# KiCad board Phoenixia.kicad_pcb (continued)
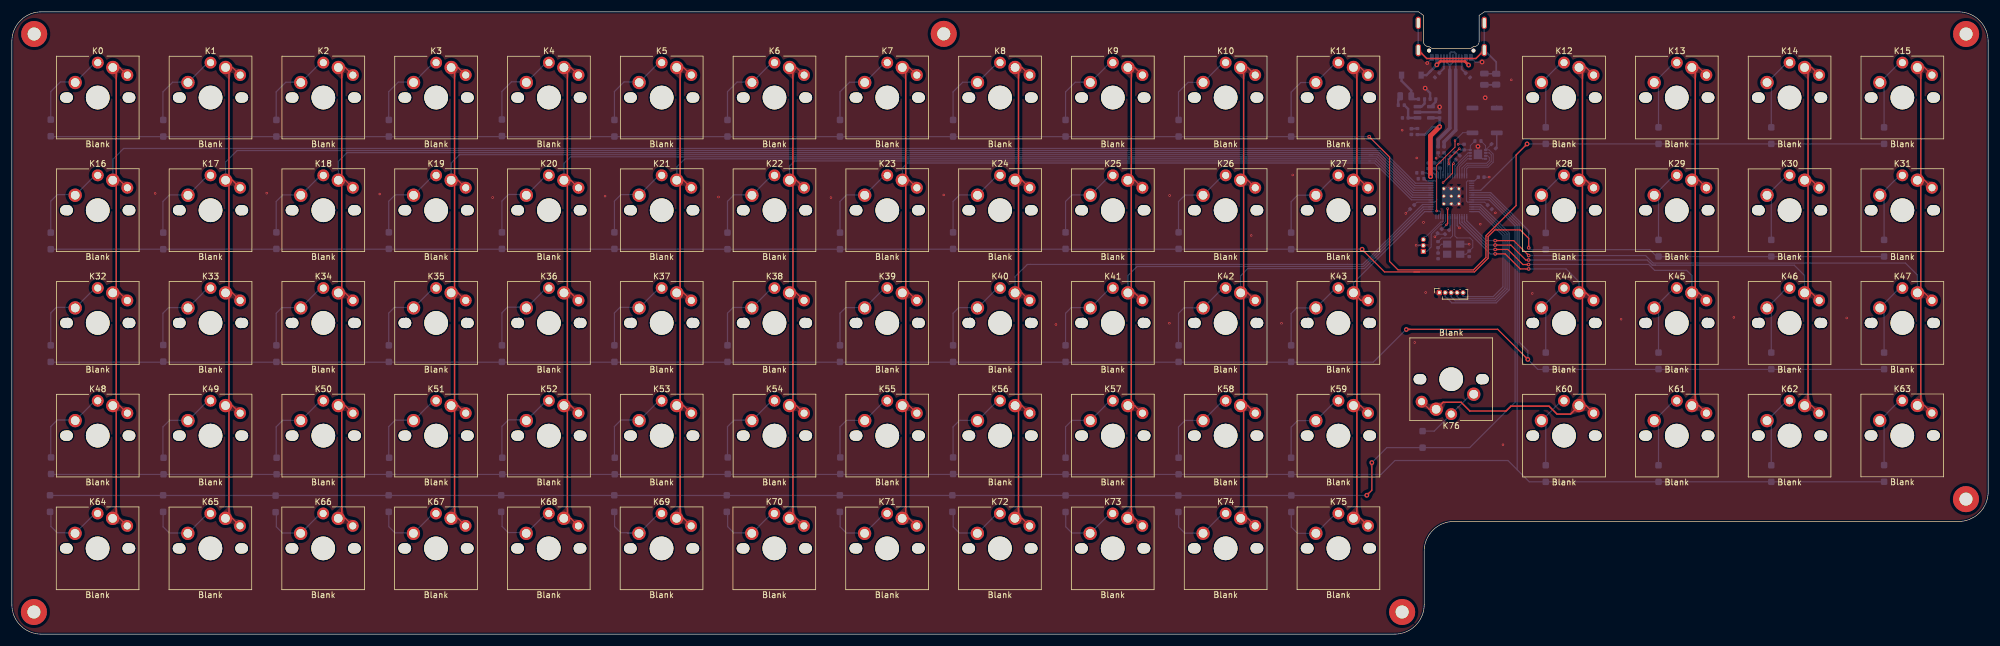
[diagram p0: board, top side]
## Nets (continued)
Net-(D56-A): D56.2 K56.2
Net-(D57-A): D57.2 K57.2
Net-(D58-A): D58.2 K58.2
Net-(D59-A): D59.2 K59.2
Net-(D60-A): D60.2 K60.2
Net-(D61-A): D61.2 K61.2
Net-(D62-A): D62.2 K62.2
Net-(D63-A): D63.2 K63.2
Net-(D64-A): D64.2 K64.2
Net-(D65-A): D65.2 K65.2
Net-(D66-A): D66.2 K66.2
Net-(D67-A): D67.2 K67.2
Net-(D68-A): D68.2 K68.2
Net-(D69-A): D69.2 K69.2
Net-(D70-A): D70.2 K70.2
Net-(D71-A): D71.2 K71.2
Net-(D72-A): D72.2 K72.2
Net-(D73-A): D73.2 K73.2
Net-(D74-A): D74.2 K74.2
Net-(D75-A): D75.2 K75.2
Net-(D76-A): D76.2 K76.2
Net-(F1-Pad1): F1.1 FB1.1
Net-(U1-BP): CBP1.1 U1.4
Net-(U1-IN): C1.1 FB1.2 U1.1
Net-(U3-USB_DM): R4.2 U3.46
Net-(U3-USB_DP): R3.2 U3.47
Net-(USB1-CC1): R5.2 USB1.A5
Net-(USB1-CC2): R6.2 USB1.B5
Net-(USB1-SHIELD): C9.1 R8.1 USB1.S1

Pads without a net: DLED1 2; H1 1; H2 1; H2#2 1; H2#3 1; H2#4 1; H7 1; R9 1; USB1 A8 B8

## Via types
v1: diameter 0.4, hole 0.2, Top to Bottom, 43 vias
v2: diameter 0.8, hole 0.4, Top to Bottom, 15 vias
v3: diameter 0.6, hole 0.3, Top to Bottom, 11 vias

## Routing (per net, layer and track width the routed paths; a pad name or vN(x,y) marks a point on that pad's centre or on a via; arc(x,y) is an arc through that point)
3V3_EN: length 2.2
  Bottom w0.4: 237.41,89.17 238.1,89.17 238.61,89.69 R7.1
+1V1: length 14.3
  Top w0.15: v1(241.72,76.33) 243.32,77.93 243.32,79.37 v1(243.5,79.55)
  Top w0.2: v1(242.5,71.94) 242.5,69.4 v1(242.27,69.18)
  Bottom w0.15: C6.1 241.56,68.47 v1(242.27,69.18) ; C3.1 241.32,78.68 U3.45 241.32,77.03 ; U3.50 243.32,79.37 v1(243.5,79.55) 243.5,79.83 C7.1 ; 241.77,76.33 v1(241.72,76.33)
  Bottom w0.2: U3.23 242.52,69.43 v1(242.27,69.18)
+3V3: length 58.2
  Top w0.15: v1(242.7,79.52) 242.7,80.29 v1(244.49,82.07)
  Top w0.8: v2(239.62,77.35) 239.6,77.38 239.6,84.22 v2(241.15,85.78)
  Bottom w0.15: U3.43 240.52,77.51 239.33,78.7 C102.1 ; C15.1 247.07,76.63 U3.1 246.55,76.62 245.88,76.62 245.68,76.42 245.68,73.23 245.88,73.03 U3.10 248.76,73.03 249.27,72.52 ; 242.93,79.19 242.93,79.84 ; 242.93,79.19 U3.49 ; 242.93,79.19 242.93,79.3 v1(242.7,79.52) ; 242.93,79.84 242.93,79.74 v1(242.7,79.52) ; 242.93,79.84 242.93,80.7 C11.1 242.52,80.3 242.52,79.79 ; U3.22 242.93,68.48 C8.1 ; C18.1 239,77.98 v2(239.62,77.35) ; v1(244.49,82.07) 244.69,81.86 C5.1 FLASH1.8 246.34,82.58 R2.1 ; v1(242.7,79.52) 242.52,79.34 242.52,79.19 ; v1(242.7,79.52) 242.52,79.7 242.52,79.79 ; C13.1 237.32,73.02 239.68,73.02 U3.33 240.32,73.03 240.68,73.38 240.68,76.48 240.52,76.63 U3.42 238.85,76.63 C16.1 ; 242.52,79.79 242.52,79.19 ; 242.52,79.19 U3.48 ; U3.44 240.93,78.04 240.26,78.7 C10.1
  Bottom w0.4: U1.5 239.69,87.27 C4.1 v2(241.15,85.78) 241.1,85.73 239.97,85.73 238.7,84.45 R9.2
GND: length 28.6
  Bottom w0.15: v1(249.52,77.27) 249.51,77.26 C15.2 ; C5.2 244.3,82.82 v1(244.27,82.8) ; C8.2 240.99,67.62 C6.2 ; C3.2 241.1,79.66 C102.2 ; 236.16,71.87 v1(235.43,71.13)
  Bottom w0.2: J5.2 238.38,65.73 v1(237.18,65.73) ; USB1.A12 247.18,96.7 248.31,96.7 v2(248.32,96.71) ; v2(247.62,82.45) FLASH1.9 248.38,80.36 FLASH1.4 ; v1(240.35,67.18) 240.81,67.64 C6.2 ; v3(239.05,96.55) 239.82,97.33 USB1.A1 ; v1(244.51,68.67) 244.12,69.06 U3.19 ; 244.68,65.98 Y1.4 v1(246.15,65.93)
  Bottom w0.25: C7.2 244.01,81.44 C11.2 ; J2.2 250.8,89.25 ; 236.18,71.87 236.16,71.87
  Bottom w0.3: R8.2 250.67,92.86 C9.2
  Bottom w0.4: v2(241.15,89.12) C4.2 237.42,88.23 U1.2 ; CBP1.2 239.55,91.47 238.72,92.3 v2(238.71,92.3)
  vias: v1(24.2,74.5) v1(43.05,74.55) v1(62.15,74.4) v1(81.2,73.8) v1(100.2,74.05) v1(119.35,73.9) v1(138.35,73.8) v1(157.4,74.25) v1(176.35,52.35) v1(195.5,52.55) v1(195.55,74.15) v1(209.32,67.4) v1(214.45,52.55) v1(216.32,77.62) v1(234.82,85.2) v1(236.95,49.3) v1(237.3,80.5) v1(238.43,69.61) v1(238.8,57.76) v1(240.55,80.46) v1(248.02,69.31) v1(250.57,71.22) v1(251.85,32.03) v1(253.25,93.7) v1(256.8,57.6) v1(271.8,53.25) v1(290.85,53.55) v1(309.9,53.45) v2(248.85,90.68)
VBUS: length 12.3
  Top w0.4: v2(240.68,96.24) 241.26,96.83 245.43,96.83 v2(246.05,96.2)
  Bottom w0.4: 239.64,95.21 238.94,94.5 D100.2 ; 239.64,95.21 v2(240.68,96.24) USB1.A4 ; 239.64,95.21 239.36,94.93 ; v2(246.05,96.2) 245.57,96.68 USB1.A9
/QSPI_SCLK: length 4.6
  Bottom w0.15: FLASH1.6 245.91,80.86 244.12,79.07 U3.52
/QSPI_SD0: length 3.9
  Bottom w0.15: FLASH1.5 245.88,80.36 244.52,79.01 U3.53
/QSPI_SD1: length 8.5
  Bottom w0.15: U3.55 245.32,78.73 245.87,79.27 249.22,79.27 249.87,79.92 249.87,81.03 249.54,81.36 FLASH1.2
/QSPI_SD2: length 7.7
  Bottom w0.15: FLASH1.3 249.26,80.86 249.55,80.58 249.55,80.06 249.08,79.6 245.74,79.6 244.93,78.79 U3.54
/QSPI_SD3: length 5.2
  Bottom w0.15: FLASH1.7 245.95,81.36 243.72,79.13 243.72,77.47
/QSPI_SS: length 12.3
  Bottom w0.15: FLASH1.1 248.93,81.86 R1.1 ; FLASH1.1 249.5,81.86 250.2,81.17 250.2,79.79 249.36,78.95 246.01,78.95 245.72,78.67 245.72,77.47 ; FLASH1.1 248.91,82.58 R2.2
/RUN: length 18.5
  Top w0.15: v1(240.65,71.53) 240.65,79.23 243.75,82.33 v1(243.75,83.43)
  Bottom w0.15: U3.26 241.32,71.33 241.12,71.53 v1(240.65,71.53) ; 247.05,84.78 245.07,84.78 243.75,83.45 v1(243.75,83.43)
/SWCLK: length 7.9
  Bottom w0.15: U3.24 242.12,69.73 241.62,69.23 241.32,69.23 239.72,67.63 239.72,65.46 238.97,64.71 J5.1
/SWD: length 5.7
  Bottom w0.15: J5.3 238.4,67.11 238.55,67.25 238.93,67.25 241.35,69.68 241.64,69.68 241.72,69.77 241.72,70.59
/~{USB_BOOT}: length 2.7
  Bottom w0.25: R1.2 250.8,82.28 J2.1
Col_0: length 321
  Top w0.2: 19.48,75.45 18.2,76.73 17.02,76.73 ; 19.48,94.5 18.2,95.78 17.02,95.78 ; 17.02,38.63 18.2,38.63 19.48,37.35 ; 19.48,56.4 18.2,57.68 17.02,57.68 ; K64.1 18.2,19.58 K64.1
  Top w0.25: 17.05,19.59 17.63,20.17 17.63,95.22 K0.1
  Bottom w0.2: U3.41 237.07,76.23 231.2,82.1 18.88,82.1 17.05,80.28 K16.1
Col_1: length 301.5
  Top w0.2: 36.08,38.63 37.26,38.63 38.54,37.35 ; 36.08,57.68 37.26,57.68 38.54,56.4 ; 36.08,95.78 37.26,95.78 38.54,94.5 ; 36.08,76.73 37.26,76.73 38.54,75.45 ; K65.1 37.26,19.58 K65.1
  Top w0.25: 36.1,19.59 36.67,20.17 36.67,95.22 K1.1
  Bottom w0.2: K17.1 36.1,79.8 38.05,81.75 231.06,81.75 236.97,75.83 U3.40
Col_2: length 282.5
  Top w0.2: 57.58,75.45 56.3,76.73 55.13,76.73 ; 57.58,94.5 56.3,95.78 55.13,95.78 ; 55.13,57.68 56.3,57.68 57.58,56.4 ; 57.58,37.35 56.3,38.63 55.13,38.63 ; 57.58,18.3 56.3,19.58 K66.1
  Top w0.25: K2.1 55.73,95.22 55.73,20.17 55.15,19.59
  Bottom w0.2: 230.03,81.4 56.63,81.4 55.15,79.93 K18.1 ; 230,81.4 230.91,81.4 236.88,75.43 U3.39
Col_3: length 263.7
  Top w0.2: 74.17,38.63 75.36,38.63 76.64,37.35 ; 74.17,76.73 75.36,76.73 76.64,75.45 ; 76.64,56.4 75.36,57.68 74.17,57.68 ; K67.1 75.36,19.58 K67.1 ; 76.64,94.5 75.36,95.78 74.17,95.78
  Top w0.25: 74.2,19.59 74.77,20.17 74.77,95.22 K3.1
  Bottom w0.2: K19.1 74.2,79.65 75.6,81.05 229.88,81.05 ; 229.27,81.05 230.77,81.05 236.79,75.03 U3.38
Col_4: length 243.9
  Top w0.2: K68.1 94.41,19.58 K68.1 ; 93.23,76.73 94.41,76.73 95.69,75.45 ; 95.69,56.4 94.41,57.68 93.23,57.68 ; 93.23,38.63 94.41,38.63 95.69,37.35 ; 95.69,94.5 94.41,95.78 93.23,95.78
  Top w0.25: K4.1 93.83,95.22 93.83,20.17 93.25,19.59
  Bottom w0.2: K20.1 93.25,79.6 94.35,80.7 230.62,80.7 236.69,74.63 U3.37
Col_5: length 224.3
  Top w0.2: 114.73,75.45 113.45,76.73 112.27,76.73 ; K69.1 113.45,19.58 K69.1 ; 114.73,37.35 113.45,38.63 112.27,38.63 ; 114.73,56.4 113.45,57.68 112.27,57.68 ; 112.27,95.78 113.45,95.78 114.73,94.5
  Top w0.25: K5.1 112.88,95.22 112.88,20.17 112.3,19.59
  Bottom w0.2: K21.1 112.3,78.95 113.7,80.35 230.48,80.35 236.6,74.23 U3.36
Col_6: length 205.5
  Top w0.2: 133.78,37.35 132.5,38.63 131.32,38.63 ; 131.32,76.73 132.5,76.73 133.78,75.45 ; 131.32,57.68 132.5,57.68 133.78,56.4 ; K70.1 132.5,19.58 K70.1 ; 131.32,95.78 132.5,95.78 133.78,94.5
  Top w0.25: K6.1 131.93,95.22 131.93,20.17 131.35,19.59
  Bottom w0.2: 229.2,80 230.33,80 236.5,73.83 U3.35 ; 229.45,80 132.23,80 131.35,79.12 K22.1
Col_7: length 185.9
  Top w0.2: 150.38,57.68 151.56,57.68 152.83,56.4 ; 152.83,94.5 151.56,95.78 150.38,95.78 ; 150.38,38.63 151.56,38.63 152.83,37.35 ; 150.38,76.73 151.56,76.73 152.83,75.45 ; K71.1 151.56,19.58 K71.1
  Top w0.25: K7.1 150.97,95.22 150.97,20.17 150.4,19.59
  Bottom w0.2: U3.34 236.41,73.43 230.19,79.65 151.27,79.65 150.4,78.78 K23.1
Col_8: length 169.7
  Top w0.2: 171.88,75.45 170.6,76.73 169.43,76.73 ; 169.43,57.68 170.6,57.68 171.88,56.4 ; 169.43,95.78 170.6,95.78 171.88,94.5 ; K72.1 170.6,19.58 K72.1 ; 169.43,38.63 170.6,38.63 171.88,37.35
  Top w0.25: K8.1 170.02,95.22 170.02,20.17 169.45,19.59
  Bottom w0.2: K40.1 169.45,60.43 171.52,62.5 228.14,62.5 238.27,72.63 U3.32
Col_9: length 150.5
  Top w0.2: 188.47,95.78 189.65,95.78 190.94,94.5 ; 188.47,76.73 189.65,76.73 190.94,75.45 ; 188.47,38.63 189.65,38.63 190.94,37.35 ; 190.94,18.3 189.65,19.58 K73.1 ; 188.47,57.68 189.65,57.68 190.94,56.4
  Top w0.25: K9.1 189.07,95.22 189.07,20.17 188.5,19.59
  Bottom w0.2: K41.1 188.5,60.6 190.05,62.15 228.29,62.15 238.37,72.23 U3.31
Col_10: length 130.1
  Top w0.2: K26.1 208.73,76.74 K26.1 ; K10.1 208.73,95.79 K10.1 ; K42.1 208.73,57.69 K42.1 ; K58.1 208.73,38.64 K58.1 ; K74.1 208.73,19.59 K74.1
  Top w0.25: 207.55,95.22 208.05,94.72 208.05,20.67 207.55,20.17
  Bottom w0.2: K42.1 207.55,60.6 208.75,61.8 228.43,61.8 238.46,71.83 U3.30
Col_11: length 111.4
  Top w0.2: K75.1 227.78,19.59 K75.1 ; K11.1 227.78,95.79 K11.1 ; K27.1 227.78,76.74 K27.1 ; K59.1 227.78,38.64 K59.1 ; K43.1 227.88,56.41 K43.1
  Top w0.25: K75.1 227.18,20.17 227.18,95.22 K11.1
  Bottom w0.2: K43.1 226.6,59.4 238.63,71.43 U3.29
Col_12: length 127.6
  Top w0.2: K12.1 265.88,95.79 K12.1 ; K76.1 239.39,38.02 K76.1 ; K44.1 265.88,57.69 K44.1 ; v3(256.2,61.74) 254.76,61.74 252.22,64.28 v3(250.52,64.28) ; K28.1 265.88,76.74 K28.1 ; K60.1 265.88,38.64 K60.1
  Top w0.25: 265.22,95.27 K12.1 265.27,95.22 265.27,39.22 K60.1 263.26,37.2 260.97,37.2 259.62,38.55 253.2,38.55 252.38,37.73 246.25,37.73 244.77,39.2 241.75,39.2 K76.1
  Bottom w0.2: K44.1 264.7,59.55 262.51,61.74 v3(256.2,61.74) ; 244.52,69.57 244.52,69.68 ; 244.52,69.68 U3.18 ; 244.52,69.68 244.52,69.48 249.73,64.28 v3(250.52,64.28) ; 238,39.19 K76.1
Col_13: length 116.1
  Top w0.2: K45.1 284.93,57.69 K45.1 ; K29.1 284.93,76.74 K29.1 ; v3(250.52,65.03) 252.67,65.03 255.21,62.49 v3(256.19,62.49) ; K61.1 284.93,38.64 K61.1 ; K13.1 284.93,95.79 K13.1
  Top w0.25: K13.1 284.32,95.22 284.32,39.22 K61.1
  Bottom w0.2: U3.17 244.93,69.62 249.52,65.03 v3(250.52,65.03) ; v3(256.19,62.49) 256.2,62.5 276.46,62.5 277.46,61.5 282.88,61.5 283.75,60.62 K45.1
Col_14: length 135.7
  Top w0.2: K46.1 303.98,57.69 K46.1 ; K30.1 303.98,76.74 K30.1 ; K62.1 303.98,38.64 K62.1 ; K14.1 303.98,95.79 K14.1 ; v3(250.52,65.78) 253.17,65.78 255.7,63.25 v3(256.2,63.25)
  Top w0.25: K62.1 303.38,39.22 303.38,95.22 K14.1
  Bottom w0.2: 277.62,62.38 301.05,62.38 302.8,60.62 K46.1 ; 277.62,62.38 277.08,62.38 ; 277.62,62.38 277.08,62.38 ; 277.08,62.38 276.71,62.75 ; 277.08,62.38 276.21,63.25 v3(256.2,63.25) ; v3(250.52,65.78) 249.26,65.78 245.32,69.72 U3.16
Col_15: length 153.2
  Top w0.2: 324.29,94.54 323.01,95.82 321.83,95.82 ; 324.29,56.44 323.01,57.72 321.83,57.72 ; K63.1 323.01,38.67 K63.1 ; v3(250.52,66.53) 253.67,66.53 v3(256.2,64) ; 321.83,76.77 323.01,76.77 324.29,75.49
  Top w0.25: K15.1 322.43,95.22 322.43,39.26 K63.1
  Bottom w0.2: K47.1 321.85,60.7 319.82,62.73 277.22,62.73 275.95,64 v3(256.2,64) ; v3(250.52,66.53) 249.07,66.53 245.72,69.88 245.72,70.59
Row_0: length 358.7
  Top w0.2: v3(229.25,84.1) 232.7,80.65 232.7,63 234.12,61.58 246.88,61.58 248.97,63.68 248.97,67.35 254.07,72.45 254.07,81 255.93,82.85 v2(255.93,82.88)
  Bottom w0.2: v3(229.25,84.1) 226.77,84.1 ; 226.77,84.1 7.02,84.1 6.58,84.55 ; 226.77,84.1 226.9,84.1 ; 316.22,83.25 315.85,82.88 256.25,82.88 ; U3.5 248.11,75.03 255.95,82.88 256.25,82.88 ; 256.25,82.88 v2(255.93,82.88)
Row_1: length 335.8
  Top w0.2: 237.7,61.23 231.84,61.23 228.05,65.03 v2(228.05,65.08) ; 237.7,61.23 236.82,61.23 ; 237.7,61.23 247.02,61.23 249.35,63.56 249.35,67.23 250.46,68.33 254.77,68.33 256.2,66.9 v3(256.2,65.3)
  Bottom w0.2: v2(228.05,65.08) D27.1 D16.1 ; 256.2,68.05 v3(256.2,65.3) ; v3(256.2,65.3) 256.25,65.35 ; v3(256.2,65.3) 256.5,65 276.65,65 277.82,63.83 315.82,63.83 316.22,64.23 ; U3.6 249.78,74.63 256.2,68.21 256.2,67.78
Row_2: length 348.8
  Top w0.2: 235.49,51.54 250.96,51.54 v2(256.05,46.45)
  Bottom w0.2: 253.72,70.2 254.6,69.31 254.6,49.38 256.05,47.93 v2(256.05,46.45) 257.75,44.75 315.8,44.75 316.22,45.18 ; U3.7 249.68,74.23 253.75,70.17 ; 235.5,51.53 235.52,51.55 v2(235.52,51.5) 235.47,51.5 229.95,45.98 7,45.98 6.58,46.4
Row_3: length 363.4
  Bottom w0.2: 254.25,27.8 254.25,69.17 249.59,73.83 U3.8 ; 254.25,27.8 256.3,25.75 315.82,25.75 316.22,26.15 ; 254.25,27.8 252.7,29.35 233.6,29.35 231.25,27 7.08,27 6.63,27.45
Row_4: length 295.8
  Top w0.2: v2(229.7,29) 229.7,24.33 v2(228.85,23.48)
  Bottom w0.2: v2(229.7,29) 232.24,31.54 246.24,31.54 253.9,39.2 253.9,69.03 249.49,73.43 U3.9 ; 6.45,23.1 6.8,23.45 228.82,23.45 v2(228.85,23.48)
SPARE1: length 30.7
  Bottom w0.2: U3.11 248.07,72.63 252.9,67.81 252.9,58.21 250.7,56.01 243.21,56.01 242.1,57.11 REF**.2
SPARE2: length 28.4
  Bottom w0.2: U3.12 247.98,72.23 252.55,67.66 252.55,58.35 250.56,56.36 243.77,56.36 243.1,57.03 REF**.3
SPARE3: length 26.1
  Bottom w0.2: U3.13 247.89,71.83 252.2,67.52 252.2,58.49 250.41,56.71 244.47,56.71 244.1,57.08 REF**.4
SPARE4: length 23.7
  Bottom w0.2: U3.14 247.79,71.43 251.85,67.37 251.85,58.71 250.2,57.06 245.22,57.06 245.1,57.18 REF**.5
USB_D+: length 18.5
  Bottom w0.3: 243.88,95.41 243.88,95.42 USB1.B6 243.88,98.18 243.68,98.38 243.07,98.38 242.88,98.18 USB1.A6
  Bottom w0.6: 243.88,95.41 243.88,85.2 241.9,83.23 R3.1
USB_D-: length 17.6
  Bottom w0.3: 242.87,95.37 242.87,96.16 ; 242.87,96.16 243.38,96.66 USB1.A7 ; 242.87,96.16 242.38,96.65 USB1.B7
  Bottom w0.4: 240.91,83.59 240.93,83.6
  Bottom w0.6: R4.1 240.91,83.59 ; 240.93,83.6 242.88,85.55 242.88,95.37
VSYS: length 5.7
  Bottom w0.4: R7.2 236.84,90.45 F1.2 236.36,91.89 234.72,93.53 234.72,94.5
XIN: length 10.4
  Bottom w0.15: Y1.1 245.6,64.23 C2.2 246.18,64.78 246.75,65.36 246.75,66.53 246.3,66.98 244.07,66.98 243.72,67.33 243.72,70.59
XOUT: length 6.1
  Bottom w0.15: U3.21 243.32,67.33 242.97,66.98 241.5,66.98 R11.1
Net-(C19-Pad2): length 2.7
  Bottom w0.15: C19.2 240.89,65.33 R11.2 241.47,65.93 Y1.3
Net-(D0-A): length 15.1
  Bottom w0.2: 10.75,93.35 8.2,93.35 6.58,91.73 6.58,86.65 ; K0.2 14.06,96.61 K0.2
Net-(D1-A): length 15.1
  Bottom w0.2: 29.7,93.3 27.15,93.3 25.52,91.68 25.52,86.6 ; K1.2 33.11,96.61 K1.2
Net-(D2-A): length 15.1
  Bottom w0.2: K2.2 52.16,96.61 K2.2 ; 48.83,93.3 46.27,93.3 44.65,91.68 44.65,86.6
Net-(D3-A): length 15.1
  Bottom w0.2: 67.83,93.33 65.27,93.33 63.65,91.7 63.65,86.62 ; K3.2 71.21,96.61 K3.2
Net-(D4-A): length 15.1
  Bottom w0.2: K4.2 90.26,96.61 K4.2 ; 86.95,93.38 84.4,93.38 82.77,91.75 82.77,86.68
Net-(D5-A): length 15.1
  Bottom w0.2: 101.77,86.65 101.77,91.73 103.4,93.35 105.95,93.35 ; K5.2 109.31,96.61 K5.2
Net-(D6-A): length 15.1
  Bottom w0.2: K6.2 128.36,96.61 K6.2 ; 125.05,93.33 122.5,93.33 120.88,91.7 120.88,86.62
Net-(D7-A): length 15.1
  Bottom w0.2: K7.2 147.41,96.61 K7.2 ; 144.05,93.3 141.5,93.3 139.88,91.68 139.88,86.6
Net-(D8-A): length 15.1
  Bottom w0.2: K8.2 166.46,96.61 K8.2 ; 163.15,93.3 160.6,93.3 158.97,91.68 158.97,86.6
Net-(D9-A): length 15.1
  Bottom w0.2: K9.2 185.51,96.61 K9.2 ; 182.15,93.3 179.6,93.3 177.97,91.68 177.97,86.6
Net-(D10-A): length 15.1
  Bottom w0.2: K10.2 204.56,96.61 K10.2 ; 197.05,86.58 197.05,91.65 198.68,93.28 201.22,93.28
Net-(D11-A): length 15.1
  Bottom w0.2: 216.07,86.55 216.07,91.62 217.7,93.25 K11.2 223.61,96.61 K11.2
Net-(D12-A): length 13.5
  Bottom w0.2: 259.07,85.3 259.07,92.53 K12.2 261.71,96.61 K12.2
Net-(D13-A): length 13.5
  Bottom w0.2: K13.2 280.76,96.61 K13.2 278.12,92.53 278.12,85.3
Net-(D14-A): length 13.5
  Bottom w0.2: 297.18,85.3 297.18,92.53 K14.2 299.81,96.61 K14.2
Net-(D15-A): length 13.5
  Bottom w0.2: K15.2 318.86,96.61 K15.2 316.22,92.53 316.22,85.3
Net-(D16-A): length 15.4
  Bottom w0.2: K16.2 14.06,77.56 K16.2 ; 10.75,74.3 7.67,74.3 6.58,73.2 6.58,67.6
Net-(D17-A): length 15.4
  Bottom w0.2: 25.52,67.55 25.52,73.15 26.63,74.25 29.7,74.25 ; K17.2 33.11,77.56 K17.2
Net-(D18-A): length 15.4
  Bottom w0.2: K18.2 52.16,77.56 K18.2 ; 48.83,74.25 45.75,74.25 44.65,73.15 44.65,67.55
Net-(D19-A): length 15.4
  Bottom w0.2: K19.2 71.21,77.56 K19.2 ; 67.83,74.28 64.75,74.28 63.65,73.18 63.65,67.58
Net-(D20-A): length 15.4
  Bottom w0.2: 82.77,67.62 82.77,73.23 83.88,74.33 86.95,74.33 ; K20.2 90.26,77.56 K20.2
Net-(D21-A): length 15.4
  Bottom w0.2: 101.77,67.6 101.77,73.2 102.88,74.3 105.95,74.3 ; K21.2 109.31,77.56 K21.2
Net-(D22-A): length 15.4
  Bottom w0.2: K22.2 128.36,77.56 K22.2 ; 120.88,67.58 120.88,73.18 121.98,74.28 125.05,74.28
Net-(D23-A): length 15.4
  Bottom w0.2: K23.2 147.41,77.56 K23.2 ; 144.05,74.25 140.97,74.25 139.88,73.15 139.88,67.55
Net-(D24-A): length 15.4
  Bottom w0.2: 158.97,67.55 158.97,73.15 160.07,74.25 163.15,74.25 ; K24.2 166.46,77.56 K24.2
Net-(D25-A): length 15.4
  Bottom w0.2: 177.97,67.55 177.97,73.15 179.07,74.25 182.15,74.25 ; K25.2 185.51,77.56 K25.2
Net-(D26-A): length 15.4
  Bottom w0.2: K26.2 204.56,77.56 K26.2 ; 197.05,67.53 197.05,73.12 198.15,74.23 201.22,74.23
Net-(D27-A): length 15.4
  Bottom w0.2: 216.07,67.5 216.07,73.1 217.18,74.2 K27.2 223.61,77.56 K27.2
Net-(D28-A): length 12.3
  Bottom w0.2: K28.2 261.71,77.56 K28.2 259.07,73.48 259.07,67.45
Net-(D29-A): length 13.4
  Bottom w0.2: 278.12,66.28 278.12,73.48 K29.2 280.76,77.56 K29.2
Net-(D30-A): length 13.4
  Bottom w0.2: K30.2 299.81,77.56 K30.2 297.18,73.48 297.18,66.28
Net-(D31-A): length 13.4
  Bottom w0.2: K31.2 318.86,77.56 K31.2 316.22,73.48 316.22,66.28
Net-(D32-A): length 15.5
  Bottom w0.2: 10.75,55.25 7.52,55.25 6.58,54.3 6.58,48.55 ; K32.2 14.06,58.51 K32.2
Net-(D33-A): length 15.5
  Bottom w0.2: K33.2 33.11,58.51 K33.2 ; 25.52,48.5 25.52,54.25 26.48,55.2 29.7,55.2
Net-(D34-A): length 15.5
  Bottom w0.2: 48.83,55.2 45.6,55.2 44.65,54.25 44.65,48.5 ; K34.2 52.16,58.51 K34.2
Net-(D35-A): length 15.5
  Bottom w0.2: 67.83,55.23 64.6,55.23 63.65,54.28 63.65,48.53 ; K35.2 71.21,58.51 K35.2
Net-(D36-A): length 15.5
  Bottom w0.2: 82.77,48.58 82.77,54.33 83.73,55.28 86.95,55.28 ; K36.2 90.26,58.51 K36.2
Net-(D37-A): length 15.5
  Bottom w0.2: 101.77,48.55 101.77,54.3 102.73,55.25 105.95,55.25 ; K37.2 109.31,58.51 K37.2
Net-(D38-A): length 15.5
  Bottom w0.2: 120.88,48.53 120.88,54.28 121.83,55.23 125.05,55.23 ; K38.2 128.36,58.51 K38.2
Net-(D39-A): length 15.5
  Bottom w0.2: K39.2 147.41,58.51 K39.2 ; 144.05,55.2 140.82,55.2 139.88,54.25 139.88,48.5
Net-(D40-A): length 15.5
  Bottom w0.2: K40.2 166.46,58.51 K40.2 ; 163.15,55.2 159.93,55.2 158.97,54.25 158.97,48.5
Net-(D41-A): length 15.5
  Bottom w0.2: 177.97,48.5 177.97,54.25 178.93,55.2 182.15,55.2 ; K41.2 185.51,58.51 K41.2
Net-(D42-A): length 15.5
  Bottom w0.2: K42.2 204.56,58.51 K42.2 ; 201.22,55.18 198,55.18 197.05,54.23 197.05,48.48
Net-(D43-A): length 15.5
  Bottom w0.2: 216.07,48.45 216.07,54.2 217.02,55.15 K43.2 223.61,58.51 K43.2
Net-(D44-A): length 13.4
  Bottom w0.2: K44.2 261.71,58.51 K44.2 259.07,54.43 259.07,47.23
Net-(D45-A): length 13.4
  Bottom w0.2: K45.2 280.76,58.51 K45.2 278.12,54.43 278.12,47.23
Net-(D46-A): length 13.4
  Bottom w0.2: 297.18,47.23 297.18,54.43 K46.2 299.81,58.51 K46.2
Net-(D47-A): length 13.4
  Bottom w0.2: K47.2 318.86,58.51 K47.2 316.22,54.43 316.22,47.23
Net-(D48-A): length 15.4
  Bottom w0.2: K48.2 14.06,39.46 K48.2 ; 10.75,36.2 7.67,36.2 6.58,35.1 6.58,29.55
Net-(D49-A): length 15.4
  Bottom w0.2: 25.52,29.5 25.52,35.05 26.63,36.15 29.7,36.15 ; K49.2 33.11,39.46 K49.2
Net-(D50-A): length 15.4
  Bottom w0.2: 44.65,29.5 44.65,35.05 45.75,36.15 48.83,36.15 ; K50.2 52.16,39.46 K50.2
Net-(D51-A): length 15.4
  Bottom w0.2: K51.2 71.21,39.46 K51.2 ; 63.65,29.53 63.65,35.08 64.75,36.18 67.83,36.18
Net-(D52-A): length 15.4
  Bottom w0.2: 86.95,36.23 83.88,36.23 82.77,35.12 82.77,29.58 ; K52.2 90.26,39.46 K52.2
Net-(D53-A): length 15.4
  Bottom w0.2: K53.2 109.31,39.46 K53.2 ; 105.95,36.2 102.88,36.2 101.77,35.1 101.77,29.55
Net-(D54-A): length 15.4
  Bottom w0.2: 120.88,29.53 120.88,35.08 121.98,36.18 125.05,36.18 ; K54.2 128.36,39.46 K54.2
Net-(D55-A): length 15.4
  Bottom w0.2: 139.88,29.5 139.88,35.05 140.97,36.15 144.05,36.15 ; K55.2 147.41,39.46 K55.2
Net-(D56-A): length 15.4
  Bottom w0.2: K56.2 166.46,39.46 K56.2 ; 158.97,29.5 158.97,35.05 160.07,36.15 163.15,36.15
Net-(D57-A): length 15.4
  Bottom w0.2: K57.2 185.51,39.46 K57.2 ; 182.15,36.15 179.07,36.15 177.97,35.05 177.97,29.5
Net-(D58-A): length 15.4
  Bottom w0.2: K58.2 204.56,39.46 K58.2 ; 197.05,29.48 197.05,35.03 198.15,36.12 201.22,36.12
Net-(D59-A): length 15.4
  Bottom w0.2: 216.07,29.45 216.07,35 217.18,36.1 K59.2 223.61,39.46 K59.2
Net-(D60-A): length 13.4
  Bottom w0.2: K60.2 261.71,39.46 K60.2 259.07,35.38 259.07,28.18
Net-(D61-A): length 13.4
  Bottom w0.2: 278.12,28.18 278.12,35.38 K61.2 280.76,39.46 K61.2
Net-(D62-A): length 13.4
  Bottom w0.2: K62.2 299.81,39.46 K62.2 297.18,35.38 297.18,28.18
Net-(D63-A): length 13.4
  Bottom w0.2: K63.2 318.84,39.49 K63.2 316.22,35.39 316.22,28.2
Net-(D64-A): length 12.7
  Bottom w0.2: 6.6,21.12 6.6,18.2 7.65,17.15 10.75,17.15 ; K64.2 14.04,20.4 K64.2
Net-(D65-A): length 12.7
  Bottom w0.2: K65.2 33.08,20.4 K65.2 ; 25.55,21.08 25.55,18.15 26.6,17.1 29.7,17.1
Net-(D66-A): length 13.5
  Bottom w0.2: K66.2 52.14,20.4 52.58,20.4 53.14,20.96 ; 48.83,17.1 45.73,17.1 44.67,18.15 44.67,21.08
Net-(D67-A): length 12.7
  Bottom w0.2: K67.2 71.19,20.4 K67.2 ; 63.67,21.1 63.67,18.18 64.73,17.12 67.83,17.12
Net-(D68-A): length 12.7
  Bottom w0.2: 86.95,17.18 83.85,17.18 82.8,18.23 82.8,21.15 ; K68.2 90.23,20.4 K68.2
Net-(D69-A): length 14.8
  Bottom w0.2: 103.92,17.15 102.85,17.15 101.8,18.2 101.8,21.12 ; 103.92,17.15 105.95,17.15 ; 103.92,17.15 104.04,17.04 K69.2 109.29,20.4 K69.2
Net-(D70-A): length 12.7
  Bottom w0.2: 125.05,17.12 121.95,17.12 120.9,18.18 120.9,21.1 ; K70.2 128.33,20.4 K70.2
Net-(D71-A): length 12.7
  Bottom w0.2: K71.2 147.38,20.4 K71.2 ; 144.05,17.1 140.95,17.1 139.9,18.15 139.9,21.08
Net-(D72-A): length 12.7
  Bottom w0.2: K72.2 166.44,20.4 K72.2 ; 163.15,17.1 160.05,17.1 159,18.15 159,21.08
Net-(D73-A): length 12.7
  Bottom w0.2: 185.94,20.4 185.49,20.4 K73.2 ; 182.15,17.1 179.05,17.1 178,18.15 178,21.08
Net-(D74-A): length 12.7
  Bottom w0.2: K74.2 204.56,20.41 K74.2 ; 201.22,17.08 198.12,17.08 197.07,18.12 197.07,21.05
Net-(D75-A): length 12.7
  Bottom w0.2: K75.2 223.61,20.41 K75.2 217.15,17.05 216.1,18.1 216.1,21.03
Net-(D76-A): length 11.8
  Top w0.2: 243.56,37.2 K76.2
  Bottom w0.2: 238.27,33.95 238.65,34.33 240.23,34.33 K76.2 246.47,40.56 K76.2
Net-(F1-Pad1): length 1.6
  Bottom w0.4: 234.16,89.43 234.16,90.28 234.49,90.6 F1.1
Net-(U1-BP): length 1.6
  Bottom w0.4: U1.4 240.5,89.99 CBP1.1
Net-(U1-IN): length 4
  Bottom w0.4: 235.19,89.43 235.83,88.78 C1.1 237.41,87.27
Net-(U3-USB_DM): length 4.6
  Bottom w0.15: R4.2 240.91,80.92 241.15,80.68 241.65,80.68 241.8,80.54 241.8,78.28 241.72,78.21 241.72,77.47
Net-(U3-USB_DP): length 4
  Bottom w0.15: U3.47 242.12,81.16 R3.2
Net-(USB1-CC1): length 4.3
  Bottom w0.3: R5.2 241.88,95.62 USB1.A5 241.88,96.05
Net-(USB1-CC2): length 2.9
  Bottom w0.3: USB1.B5 244.88,95.5 R6.2
Net-(USB1-SHIELD): length 28.4
  Top w0.25: USB1.S1 247.28,97.31 238.97,97.31 USB1.S1
  Bottom w0.25: R8.1 248.74,94.73 ; USB1.S1 USB1.S1 ; USB1.S1 USB1.S1
  Bottom w0.3: 248.74,94.73 C9.1 ; USB1.S1 250.71,96.72 R8.1
unconnected-(DLED1-K-Pad1): length 1
  Bottom w0.3: R9.1 236.4,85.47 DLED1.2

## Copper pours and planes (outline as drawn; the poured copper is in the pictures)
+1V1 on Bottom: 241.18,75.78 244.88,75.78 244.88,72.28 242.16,72.28 242.16,71.61 242.83,71.61 242.83,71.88 245.33,71.88 245.33,76.26 242.33,76.26 242.33,76.88 241.48,76.88 241.48,77.96 241.18,77.96
+3V3 on Bottom: 239.09,78.18 239.1,76.49 240.28,76.49 240.28,71.18 242.78,71.18 242.78,70.1 243.08,70.1 243.08,71.18 245.99,71.18 245.97,76.48 247.08,76.48 247.08,76.83 243.02,76.83 243.02,77.98 242.42,77.98 242.42,76.26 245.33,76.26 245.33,71.88 242.83,71.88 242.83,71.61 242.16,71.61 242.16,72.28 241.38,72.28 241.38,75.47 241.03,75.47 241.03,78.18
GND on Top: 329.2,106.44 6.25,106.59 0.75,105.14 -1.85,102.54 -0.9,0.39 5.05,-1.76 236,-1.96 240.3,3.04 240.55,16.09 243.15,17.54 333.4,17.29 336,22.29 335.75,102.29 332.65,105.89
GND on Bottom: 329.2,106.44 6.25,106.59 0.75,105.14 -1.85,102.54 -0.9,0.39 5.05,-1.76 236,-1.96 240.3,3.04 240.55,16.09 243.15,17.54 333.4,17.29 336,22.29 335.75,102.29 332.65,105.89

Small or netless copper shapes (teardrops, artwork), in the pictures only: 260 on Top, 310 on Bottom

## Text on the board
B.Silkscreen: SWD / GND / SWCLK | GP14 / GP13 / GP12 / GP11 / GND | RST | BOOT
